# Altium PCB DBBC7505S-F.PcbDoc (part 1 of 2) (continued)
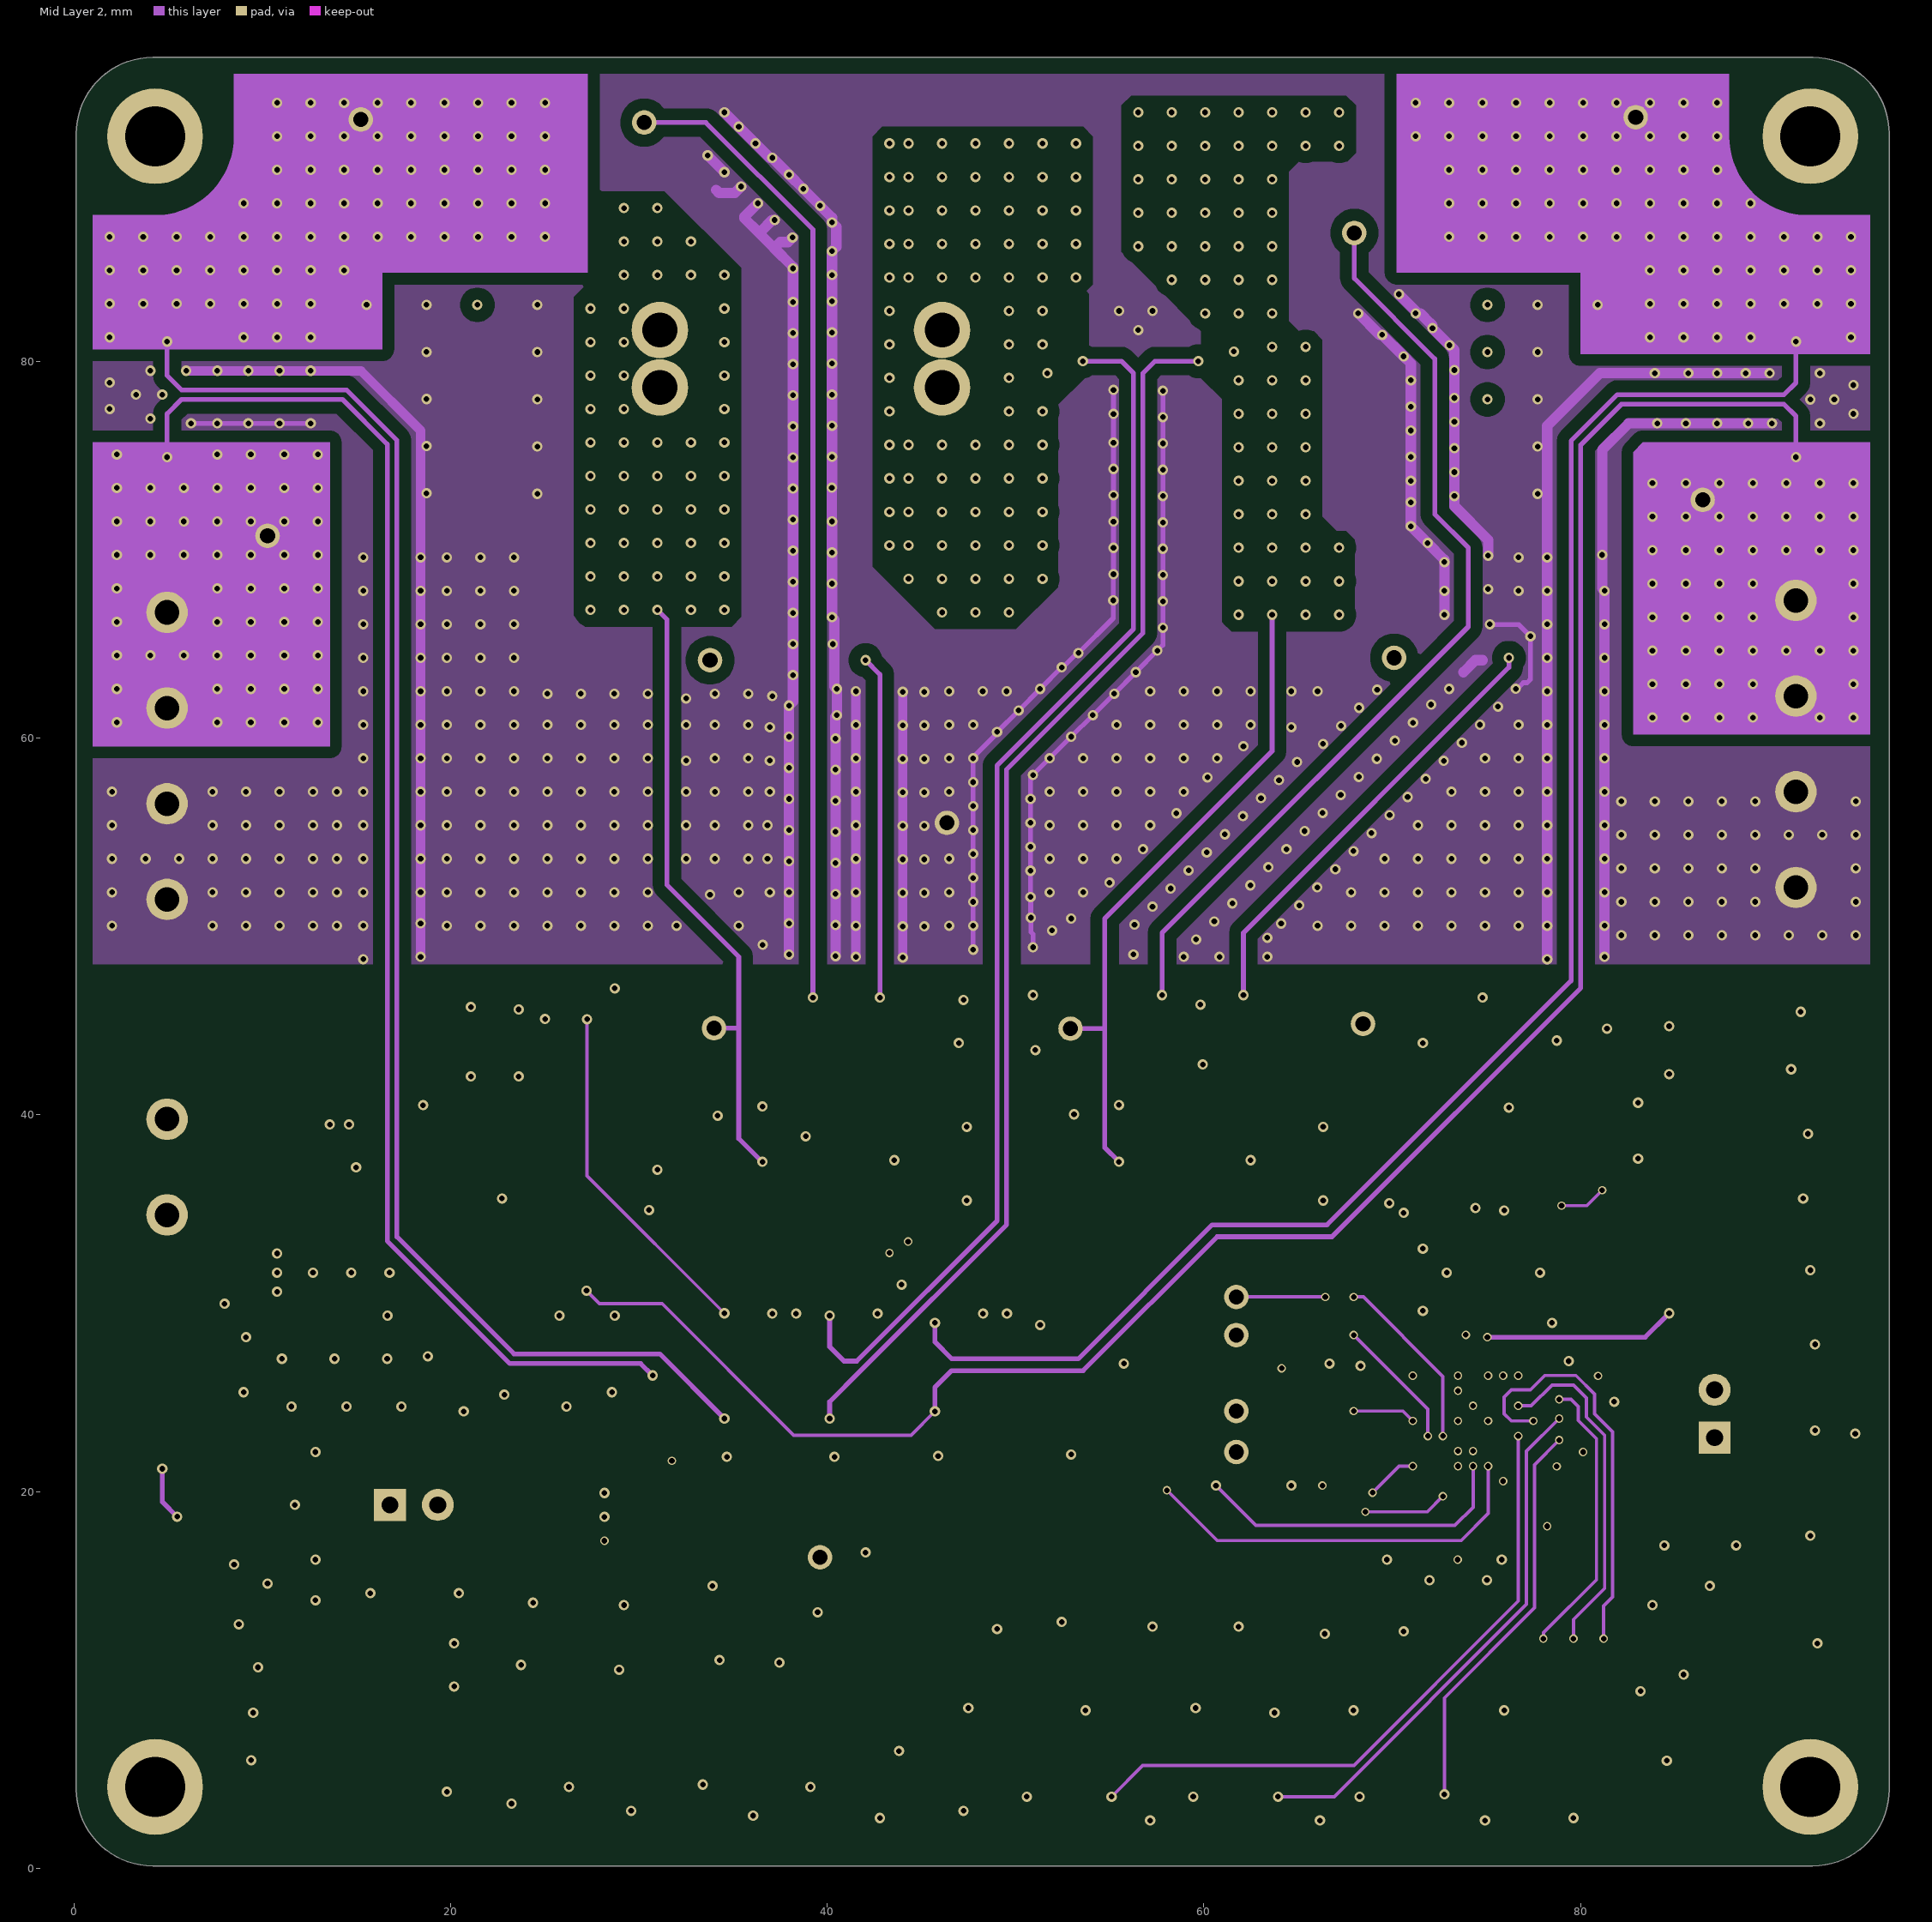
[diagram p3: Mid Layer 2]
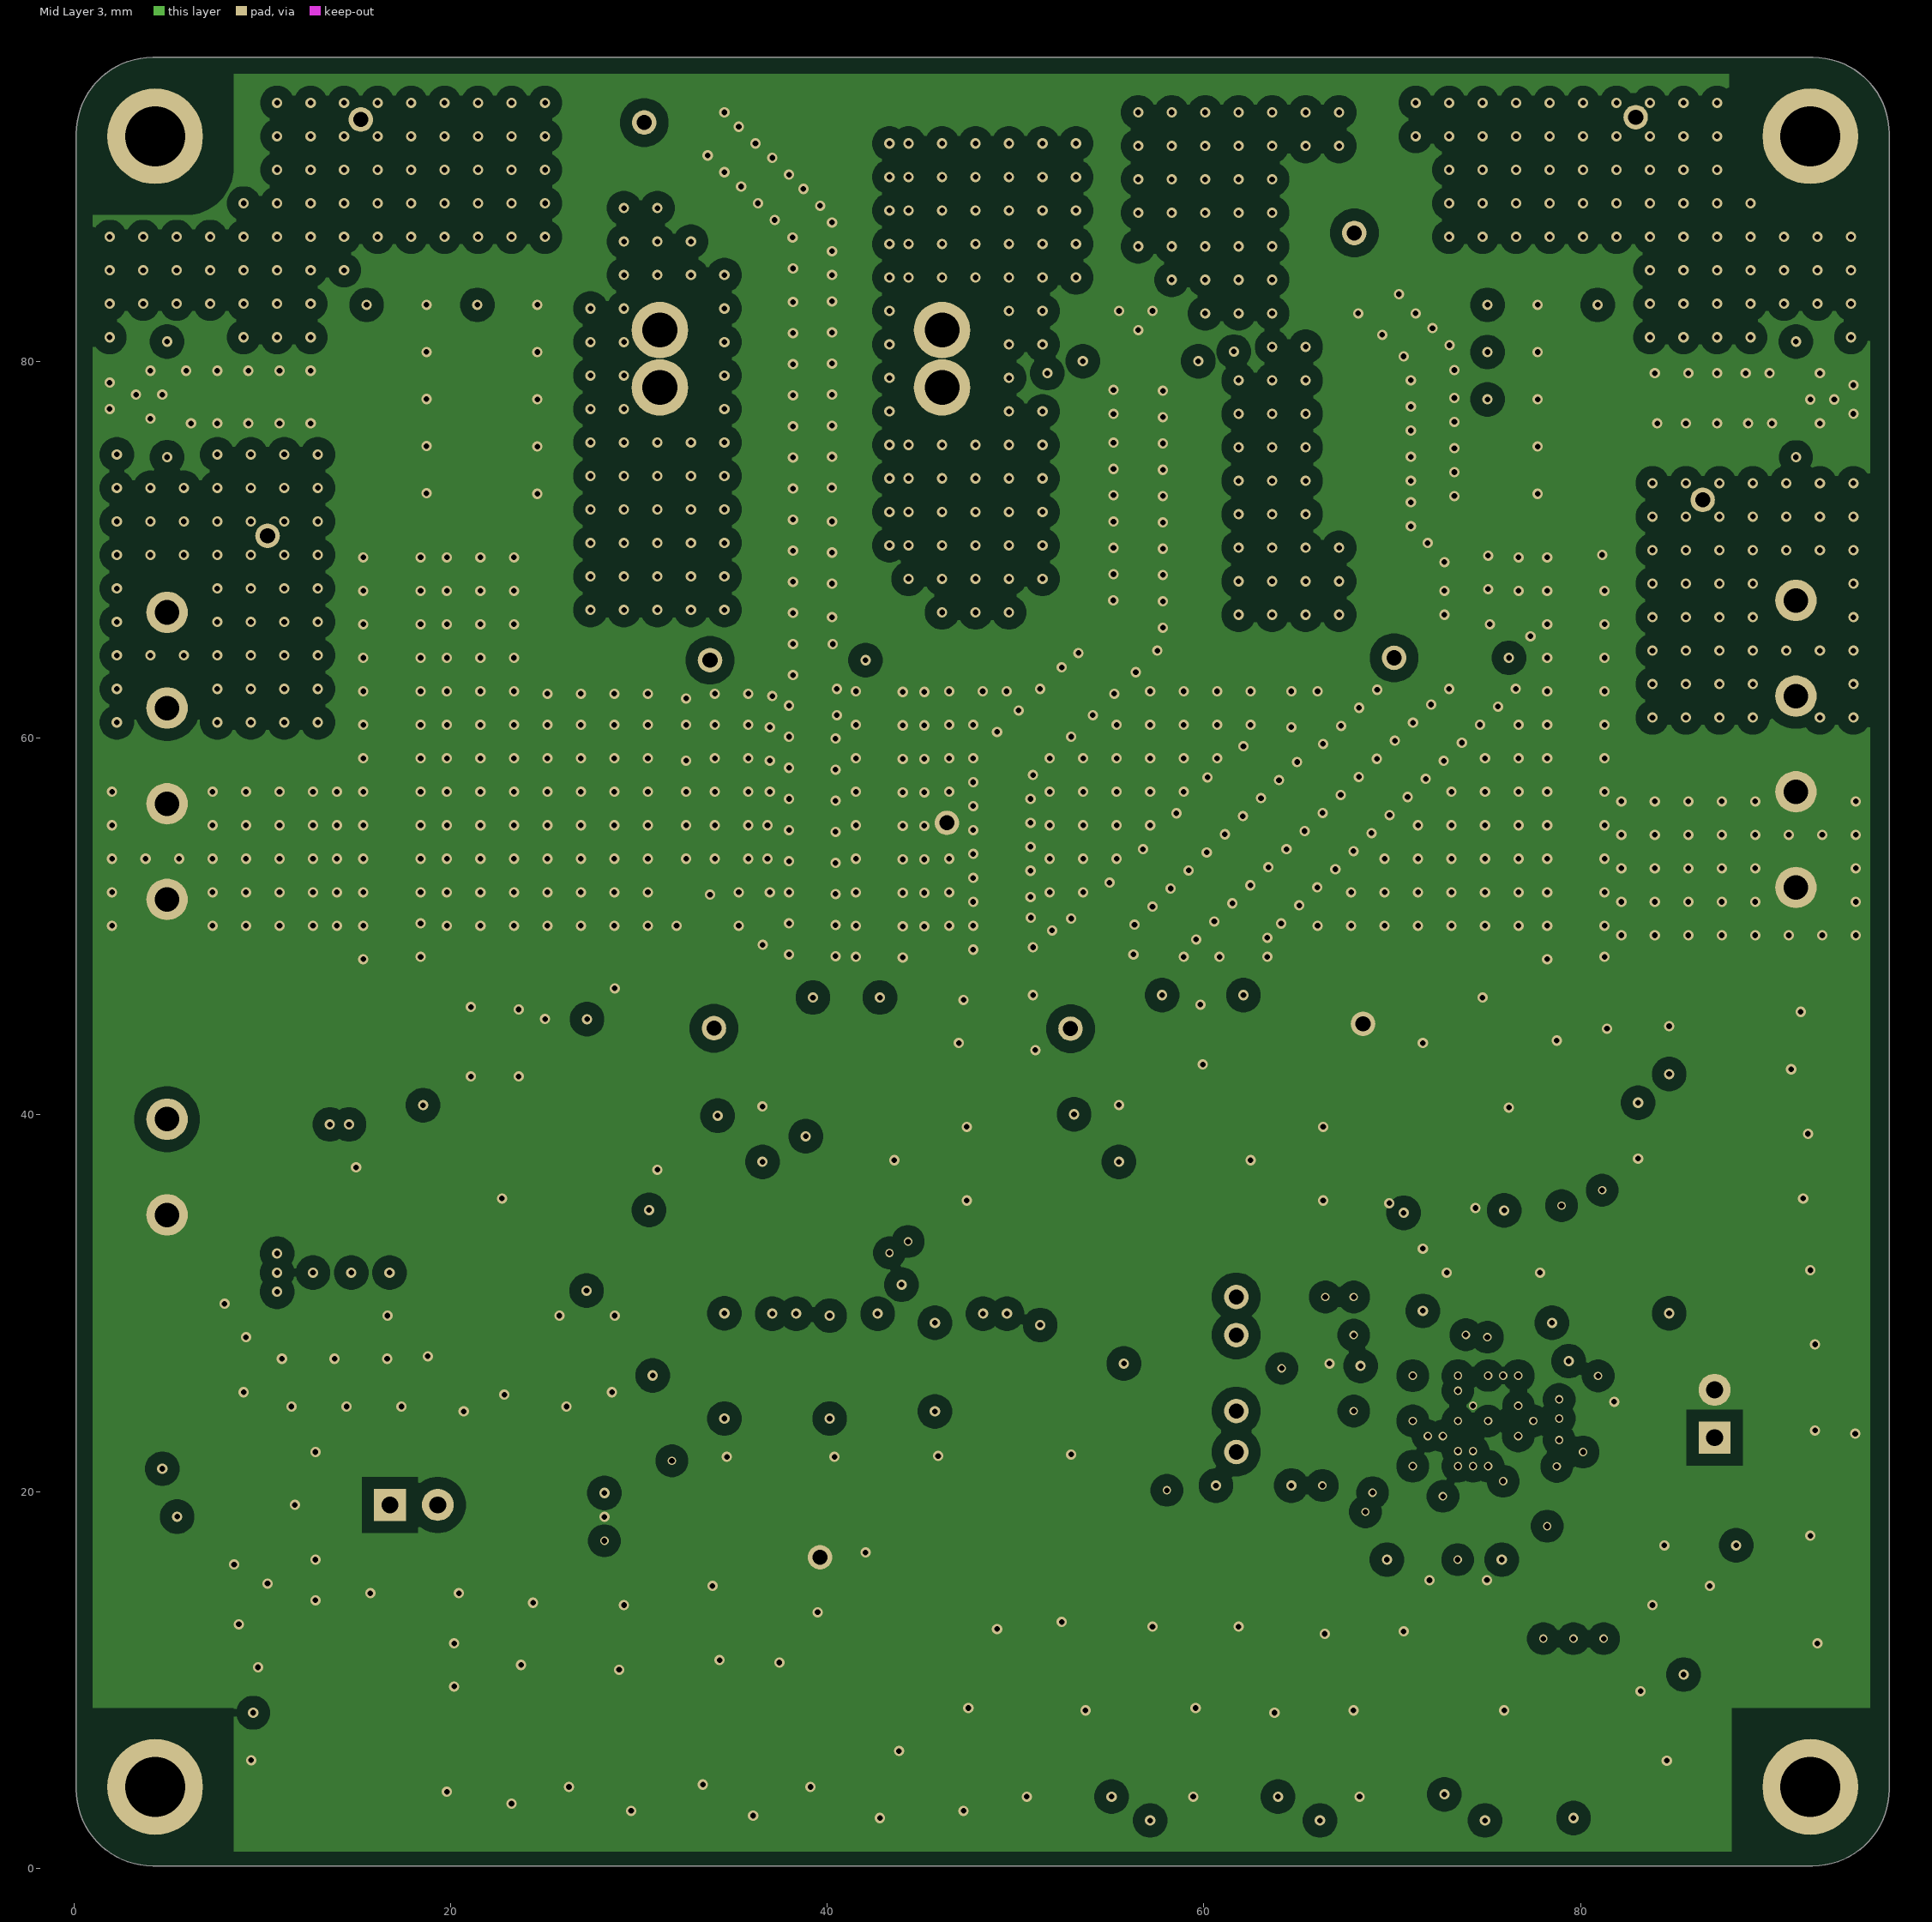
[diagram p4: Mid Layer 3]
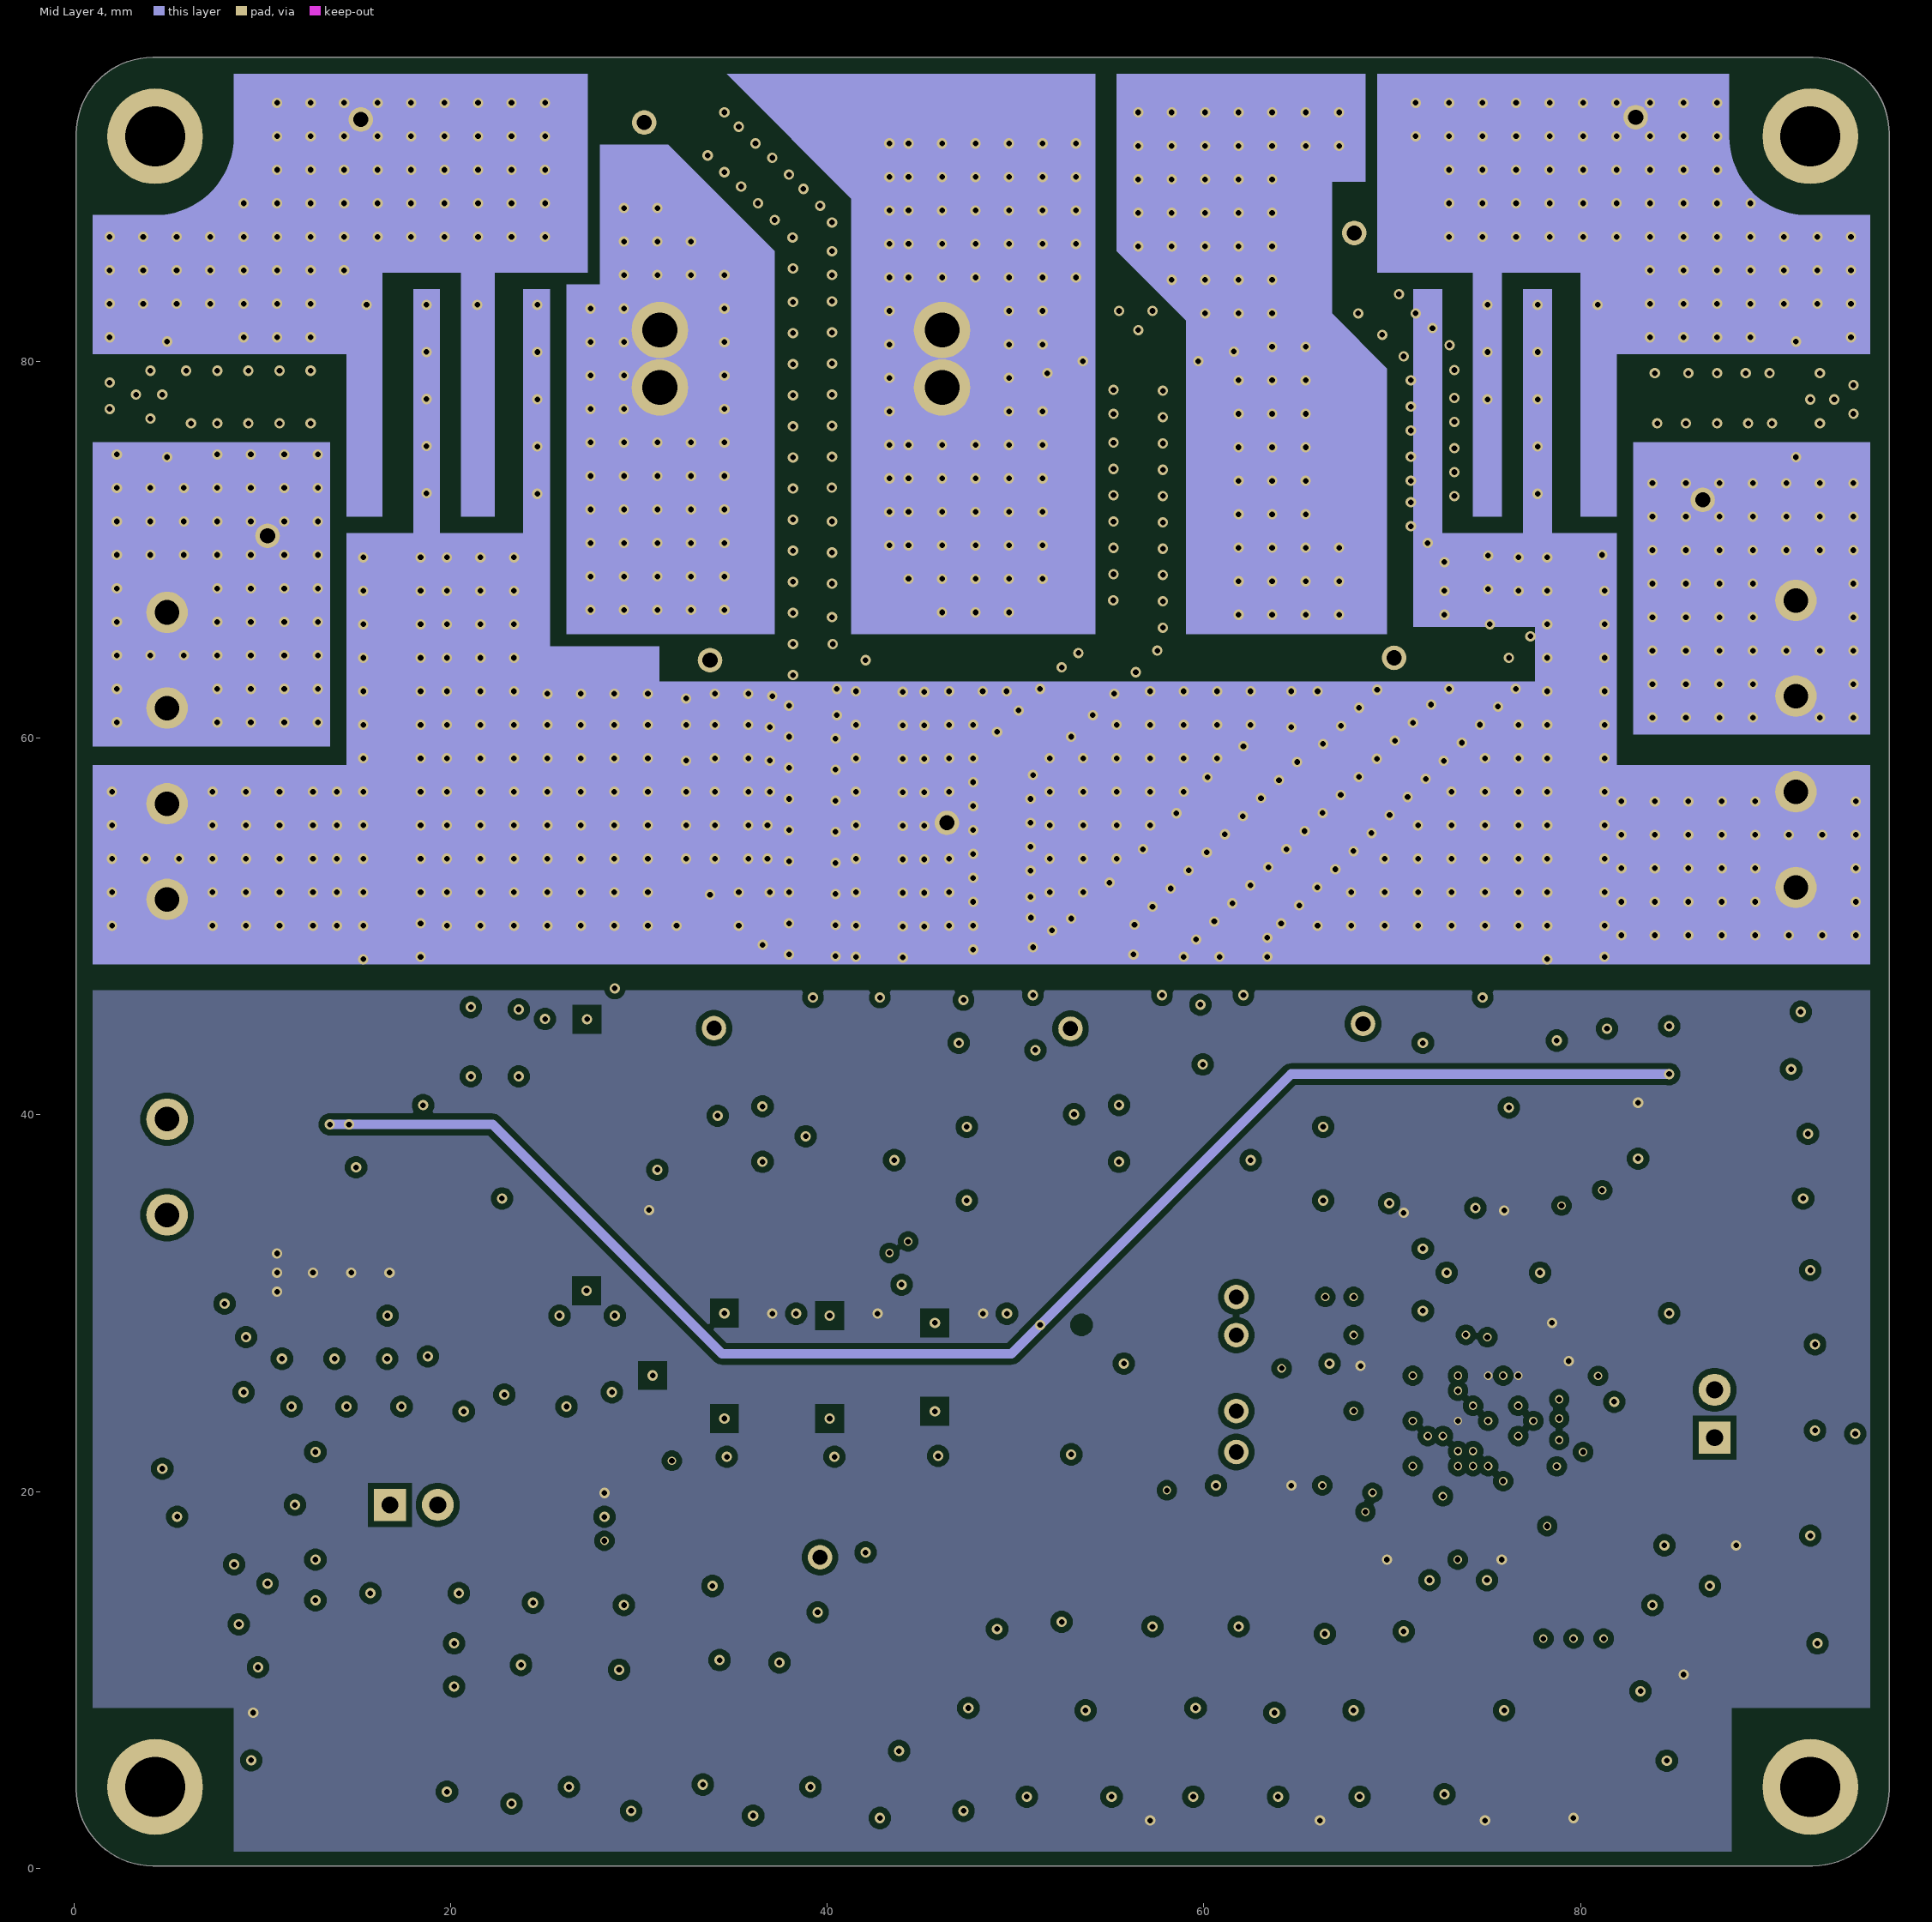
[diagram p5: Mid Layer 4]

## Layer stack, top to bottom
Top Solder: solder mask 0.0102, Solder Resist, Dk 3.5
Top Layer: signal copper 0.035
Dielectric 4: prepreg 0.0965, PP-013, Dk 4.3
Mid Layer 1: signal copper 0.018
Dielectric 2: core 0.5334, Core-037, Dk 4.8
Mid Layer 2: signal copper 0.018
Dielectric 1: prepreg 0.1067, PP-014, Dk 4.2
Mid Layer 3: signal copper 0.018
Dielectric 3: core 0.5334, Core-037, Dk 4.8
Mid Layer 4: signal copper 0.018
Dielectric 5: prepreg 0.0965, PP-013, Dk 4.3
Bottom Layer: signal copper 0.035
Bottom Solder: solder mask 0.0102, Solder Resist, Dk 3.5

## Board outline
0.127,4.191 ccw(c4.191,4.191) 4.191,0.127 92.329,0.127 ccw(c92.329,4.191) 96.393,4.191 96.393,92.084 ccw(c92.338,92.084) 92.338,96.139 4.191,96.139 ccw(c4.191,92.075) 0.127,92.075

## Design rules (kind name [scope] priority, off if disabled: settings)
Clearance Clearance_9 [InNamedPolygon('C1N_L06_P005')] p1: gap=0.308 ignorepadtopadclearanceinfootprint=FALSE
Clearance Clearance_8 [InNamedPolygon('C1N_L02_P002')] p2: gap=0.308 ignorepadtopadclearanceinfootprint=FALSE
Clearance Clearance_7 [InNamedPolygon('+3V3_L05_P004')] p3: gap=0.308 ignorepadtopadclearanceinfootprint=FALSE
Clearance Clearance_6 [InNamedPolygon('C1N_L04_P003')] p4: gap=0.633 ignorepadtopadclearanceinfootprint=FALSE
Clearance Clearance_5 [InNamedPolygon('C1N_L04_P003')] p5: gap=0.308 ignorepadtopadclearanceinfootprint=FALSE
Clearance Clearance_2 [InNamedPolygon('C1N_L04_P000')] p6: gap=0.663 ignorepadtopadclearanceinfootprint=FALSE
Clearance Clearance_1 [InNamedPolygon('C1N_L03_P001')] p7: gap=0.633 ignorepadtopadclearanceinfootprint=FALSE
Clearance Clearance_3 [(ExistsOnLayer('Mid Layer 1') Or ExistsOnLayer('Mid Layer 2') Or ExistsOnLayer('Mid Layer 3') Or ExistsOnLayer('Mid Layer 4')) vs (ExistsOnLayer('Mid Layer 1') Or ExistsOnLayer('Mid Layer 2') Or ExistsOnLayer('Mid Layer 3') Or ExistsOnLayer('Mid Layer 4'))] p8: gap=0.254 ignorepadtopadclearanceinfootprint=TRUE except(0: Arc-Hole Track-Hole SMDPad-Hole THPad-Hole Via-Hole Fill-Hole Poly-Hole Region-Hole Text-Hole; 0.16: Track-Track)
Clearance Clearance_4 [(ExistsOnLayer('Top Layer') Or ExistsOnLayer('Bottom Layer')) vs (ExistsOnLayer('Top Layer') Or ExistsOnLayer('Bottom Layer'))] p9: gap=0.254 ignorepadtopadclearanceinfootprint=TRUE except(0: Arc-Hole Track-Hole SMDPad-Hole THPad-Hole Via-Hole Fill-Hole Poly-Hole Region-Hole Text-Hole; 0.16: Track-Track)
Clearance Clearance_10 [(ExistsOnLayer('Mid Layer 1') Or ExistsOnLayer('Mid Layer 2') Or ExistsOnLayer('Mid Layer 3') Or ExistsOnLayer('Mid Layer 4')) vs (ExistsOnLayer('Mid Layer 1') Or ExistsOnLayer('Mid Layer 2') Or ExistsOnLayer('Mid Layer 3') Or ExistsOnLayer('Mid Layer 4'))] p10: gap=0.254 ignorepadtopadclearanceinfootprint=FALSE except(0: Arc-Hole Track-Hole SMDPad-Hole THPad-Hole Via-Hole Fill-Hole Poly-Hole Region-Hole Text-Hole)
Clearance Clearance_11 [(ExistsOnLayer('Top Layer') Or ExistsOnLayer('Bottom Layer')) vs (ExistsOnLayer('Top Layer') Or ExistsOnLayer('Bottom Layer'))] p11: gap=0.254 ignorepadtopadclearanceinfootprint=FALSE except(0: Arc-Hole Track-Hole SMDPad-Hole THPad-Hole Via-Hole Fill-Hole Poly-Hole Region-Hole Text-Hole)
Clearance [All] p12: gap=0.254 ignorepadtopadclearanceinfootprint=FALSE except(0: Arc-Hole Track-Hole SMDPad-Hole THPad-Hole Via-Hole Fill-Hole Poly-Hole Region-Hole Text-Hole)
ComponentClearance [All] p1: gap=0 collisioncheckmode=3 verticalgap=0 showdistances=FALSE
PolygonConnect PolygonConnect_6 [All vs IsNamedPolygon('C1N_L06_P005')] p1: connectstyle=Direct reliefconductorwidth=0.254 reliefentries=4 polygonreliefangle="90 Angle" airgapwidth=0.254
PolygonConnect PolygonConnect_5 [All vs IsNamedPolygon('C1N_L02_P002')] p2: connectstyle=Direct reliefconductorwidth=0.254 reliefentries=4 polygonreliefangle="90 Angle" airgapwidth=0.254
PolygonConnect PolygonConnect_4 [All vs IsNamedPolygon('+3V3_L05_P004')] p3: connectstyle=Direct reliefconductorwidth=0.254 reliefentries=4 polygonreliefangle="90 Angle" airgapwidth=0.254
PolygonConnect PolygonConnect_3 [All vs IsNamedPolygon('C1N_L04_P003')] p4: connectstyle=Direct reliefconductorwidth=0.254 reliefentries=4 polygonreliefangle="90 Angle" airgapwidth=0.254
PolygonConnect PolygonConnect_2 [All vs IsNamedPolygon('C1N_L03_P001')] p5: connectstyle=Direct reliefconductorwidth=0.254 reliefentries=4 polygonreliefangle="90 Angle" airgapwidth=0.254
PolygonConnect PolygonConnect_1 [All vs IsNamedPolygon('C1N_L04_P000')] p6: connectstyle=Direct reliefconductorwidth=0.254 reliefentries=4 polygonreliefangle="90 Angle" airgapwidth=0.254
PolygonConnect [All] p7: connectstyle=Relief reliefconductorwidth=0.254 reliefentries=4 polygonreliefangle="90 Angle" airgapwidth=0.254
RoutingVias [All] p1: holewidth=0.711 width=1.27 viastyle="Through Hole" minholewidth=0.711 minwidth=1.27 maxholewidth=0.711 maxwidth=1.27
SolderMaskExpansion [All] p1: expansion=0.102 istentingtop=FALSE
Width MaxMinWidth_1 [All] p1: maxlimit=1 minlimit=0.178 preferedwidth=0.254 minimp=50.000000 maximp=50.000000 favimp=50.000000
Width [All] p2: maxlimit=0.254 minlimit=0.254 preferedwidth=0.254